# Altium PCB RF.PcbDoc (part 4 of 5)
Units mm, origin at the board's own origin, x right, y up, seen from the top; angles counter-clockwise.
Board outline 174 x 120 mm, 4 copper layers (Top, REF1, Internal, REF2), stack 1.212 mm thick; 567 components, 328 nets, 1552 pads, 3145 vias.
Unrouted connection lines stored in the file: 12.
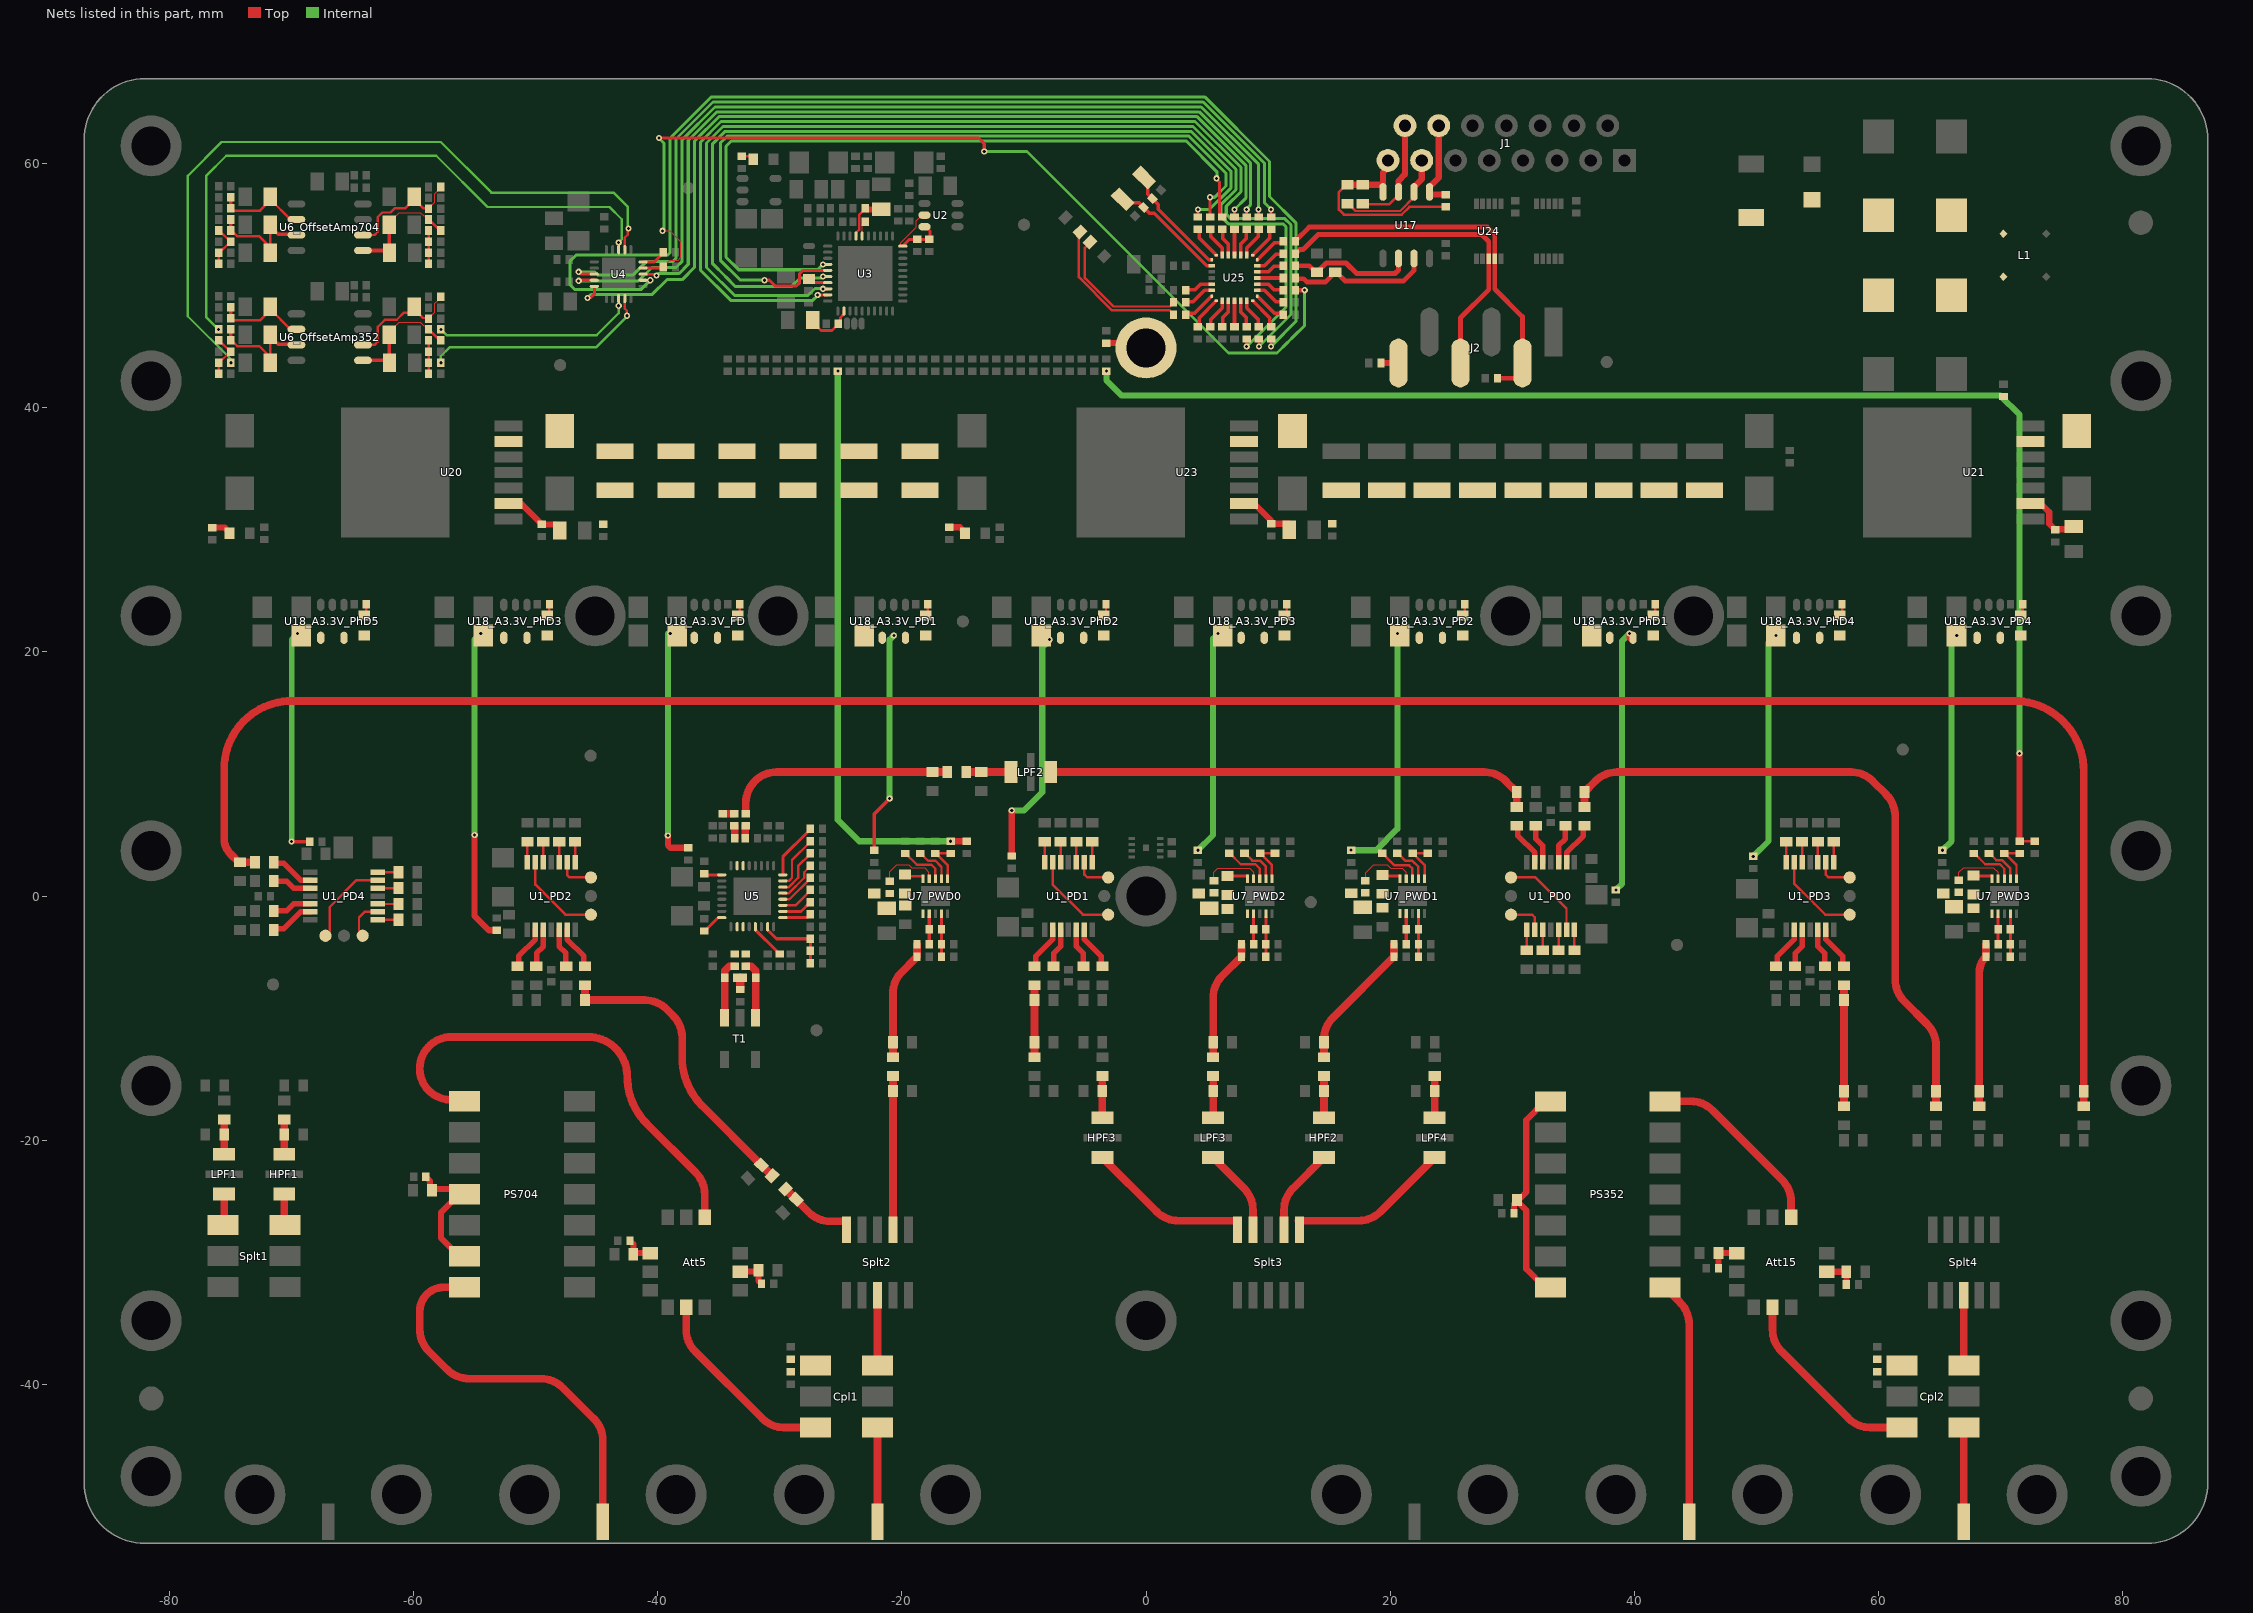
[diagram p6: the nets of this part, all layers, seen from the top]

## Via types
v1: diameter 0.51, hole 0.25, Top to REF2, tented both sides, 2873 vias
v2: diameter 1, hole 0.5, Top to REF2, tented both sides, 245 vias
v3: diameter 0.75, hole 0.25, Top to REF2, tented both sides, 21 vias
v4: diameter 0.51, hole 0.25, Top to REF2, tented bottom, 6 vias

## Nets (pads, with @x,y where several pads share a name; then routed paths per layer and width w, separated by ;. In a path a pad name is that pad's centre, name@x,y a point inside that pad or via, vN(x,y) a via of type N, cw(c..) or ccw(c..) an arc to the next point about the centre after c; other vN are vias at no path point) (continued)
E_5: R43_OffsetAmp352.1 U4.17 | length 59.8
  Top w0.2: U4.17@-42.7,52.95 -42.7,53.938 -42.459,54.178 -42.459,54.628 v1(-42.4,54.688)
  Internal w0.2: v1(-74.975,43.69) -74.975,43.975 -78.5,47.5 -78.5,59 -75.725,61.775 -57.775,61.775 -53.625,57.625 -43.625,57.625 -42.445,56.445 v1@-42.445,54.688
F_5: R45_OffsetAmp352.1 U4.18 | length 52.5
  Top w0.2: U4.18@-43.2,52.95 v1(-43.2,53.537)
  Internal w0.2: v1(-75.975,46.427) -77,47.452 -77,59 -75.35,60.65 -58.15,60.65 -53.95,56.45 -43.95,56.45 -42.945,55.445 -42.945,53.793 v1(-43.2,53.537)
G_5: R54_OffsetAmp352.1 U4.8 | length 16.7
  Top w0.2: v1(-43.2,48.363) U4.8@-43.2,48.95
  Internal w0.2: v1(-57.775,46.427) -57.298,45.95 -44.998,45.95 -43.195,47.753 -43.195,48.358 v1(-43.2,48.363)
H_5: R51_OffsetAmp352.1 U4.9 | length 18.7
  Top w0.2: U4.9@-42.7,48.95 -42.7,48.125 -42.525,47.95 v1(-42.525,47.543)
  Internal w0.2: v1(-57.775,43.69) -57.775,44.225 -57.05,44.95 -45.055,44.95 -42.525,47.48 v1(-42.525,47.543)
MO352_1_5: C8_PD3.1 R3_PD3.1 R140.2 R145.2 | length 9.8
  Top w0.635: R145.2@57.175,-17.15 R140.2@57.175,-16 R3_PD3.1@57.175,-8.525 C8_PD3.1@57.175,-7.3
MO352_2_5: C4_PD0.1 R1_PD0.2 R135.2 R136.2 | length 54.1
  Top w0.635: C4_PD0.1@35.925,7.3 R1_PD0.2@35.925,8.525 36.816,9.416 cw(c38.612,7.62) 38.612,10.16 57.748,10.16 cw(c57.748,7.62) 59.544,9.416 60.631,8.329 cw(c58.835,6.533) 61.375,6.533 61.375,-6.823 ccw(c63.915,-6.823) 62.119,-8.619 63.986,-10.486 cw(c62.19,-12.282) 64.73,-12.282 R135.2@64.73,-16 R136.2@64.73,-17.225
MO352_3_5: C4_PD4.1 R1_PD4.2 R138.2 R139.2 | length 195.6
  Top w0.635: R1_PD4.2@-74.325,2.775 -75,3.45 cw(c-73.745,4.705) -75.52,4.705 -75.52,10.42 cw(c-69.952,10.42) -69.952,15.988 71.082,15.988 cw(c71.082,10.244) 76.825,10.244 R138.2@76.825,-16 R139.2@76.825,-17.225 ; R1_PD4.2@-74.225,2.775 C4_PD4.1@-73,2.775
MO352_5_P: R21.1 R63_PWD3.2 R64_PWD3.1 | length 112.9
  Top w0.2: R63_PWD3.2@71.565,4.49 R64_PWD3.1@72.815,4.49
  Top w0.5: R63_PWD3.2@71.565,4.49 v4(71.565,11.69)
  Internal w0.5: v1(-3.25,43) -3.25,42.25 -2,41 70,41 71.565,39.435 v4(71.565,11.69)
MO704/2_5: C8_PD0.1 LPF2.3 R3_PD0.1 | length 40
  Top w0.635: LPF2.3@-7.809,10.16 27.457,10.16 27.688,10.16 cw(c27.688,7.62) 29.484,9.416 R3_PD0.1@30.375,8.525 C8_PD0.1@30.375,7.3
MO704_5: C4_PD1.1 R1_PD1.2 R127.1 R128.2 | length 5.9
  Top w0.635: R127.1@-9.125,-13.2 R128.2@-9.125,-11.975 R1_PD1.2@-9.125,-8.525 C4_PD1.1@-9.125,-7.3
MO704_5_P: R9.1 R63_PWD0.2 R64_PWD0.1 | length 48
  Top w0.5: v1(-16.005,4.49) R64_PWD0.1@-14.685,4.49
  Internal w0.5: v1(-25.25,43) -25.25,6.25 -23.49,4.49 v1(-16.005,4.49)
NetAtt5_1: Att5.1 PS704.1 | length 38.4
  Top w0.635: PS704.1@-56.777,-16.68 cw(c-56.96,-14.147) -59.5,-14.147 cw(c-56.893,-14.147) -56.893,-11.54 -45.725,-11.54 cw(c-45.725,-14.765) -42.5,-14.765 ccw(c-37.007,-14.765) -40.891,-18.649 -36.894,-22.646 cw(c-38.691,-24.442) -36.151,-24.442 Att5.1@-36.151,-26.332
NetAtt5_4: Att5.4 BLM11.2 C114.2 | length 2.5
  Top w0.5: BLM11.2@-42.272,-28.253 -42,-28.525 -42,-29.25 -41.999,-29.251 -40.597,-29.251 Att5.4@-40.596,-29.253
NetAtt5_8: Att5.8 Cpl1.6 | length 16.1
  Top w0.635: Att5.8@-37.675,-33.698 -37.675,-35.513 ccw(c-35.135,-35.513) -36.931,-37.309 -31.444,-42.796 ccw(c-29.648,-41) -29.648,-43.54 Cpl1.6@-27.08,-43.54
NetAtt5_11: Att5.11 BLM12.1 C76.1 | length 2.6
  Top w0.5: Att5.11@-33.23,-30.777 -33.216,-30.763 -31.763,-30.763 -31.75,-30.75 -31.75,-31.5 BLM12.1@-31.5,-31.75
NetAtt15_1: Att15.1 PS352.14 | length 15.4
  Top w0.635: PS352.14@42.525,-16.81 44.618,-16.81 cw(c44.618,-19.35) 46.414,-17.554 52.106,-23.246 cw(c50.309,-25.042) 52.849,-25.042 Att15.1@52.849,-26.332
NetAtt15_4: Att15.4 BLM14.1 C116.2 | length 2.8
  Top w0.5: BLM14.1@46.9,-30.5 C116.2@46.9,-29.253 Att15.4@48.404,-29.253
NetAtt15_8: Att15.8 Cpl2.6 | length 16.1
  Top w0.635: Att15.8@51.325,-33.698 51.325,-35.513 ccw(c53.865,-35.513) 52.069,-37.309 57.556,-42.796 ccw(c59.352,-41) 59.352,-43.54 Cpl2.6@61.92,-43.54
NetAtt15_11: Att15.11 BLM15.1 C78.1 | length 2.7
  Top w0.5: Att15.11@55.77,-30.777 C78.1@57.375,-30.777 BLM15.1@57.375,-31.825
NetBLM1_PD0_1: BLM1_PD0.1 C82_A3.3V_PhD1.1 LED1_A3.3V_PhD1.A U18_A3.3V_PhD1.4 U18_A3.3V_PhD1.5 | length 21.8
  Top w0.5: U18_A3.3V_PhD1.5@39.6,21.16 v1(39.6,21.5)
  Internal w0.5: v1(38.5,0.5) 39,1 39,20.9 v1(39.6,21.5)
NetBLM1_PD1_1: BLM1_PD1.1 C82_A3.3V_PhD2.1 LED1_A3.3V_PhD2.A U18_A3.3V_PhD2.4 U18_A3.3V_PhD2.5 | length 20.5
  Top w0.5: BLM1_PD1.1@-11,3.25 BLM1_PD1.1@-11,3.275 v1(-11,7) ; C82_A3.3V_PhD2.1@-9.075,21.46 C82_A3.3V_PhD2.1@-8.615,21 ; C82_A3.3V_PhD2.1@-8.115,21 v1(-7.9,21)
  Internal w0.5: v1(-11,7) -10,7 -8.5,8.5 -8.5,20.4 v1(-7.9,21)
NetBLM1_PD2_1: BLM1_PD2.1 C82_A3.3V_PhD3.1 LED1_A3.3V_PhD3.A U18_A3.3V_PhD3.4 U18_A3.3V_PhD3.5 | length 25.6
  Top w0.5: v1(-55,5) -55,-1.64 -53.84,-2.8 BLM1_PD2.1@-53.185,-2.8
  Internal w0.5: v1(-55,5) -55,21 v1(-54.5,21.5)
NetBLM1_PD3_1: BLM1_PD3.1 C82_A3.3V_PhD4.1 LED1_A3.3V_PhD4.A U18_A3.3V_PhD4.4 U18_A3.3V_PhD4.5 | length 19.4
  Top w0.5: v1(51.6,21.36) C82_A3.3V_PhD4.1@51.725,21.36 ; C82_A3.3V_PhD4.1@51.725,21.46 C82_A3.3V_PhD4.1@51.725,21.36 ; C82_A3.3V_PhD4.1@51.725,21.36 51.825,21.36 51.725,21.26 C82_A3.3V_PhD4.1@51.725,21.36
  Internal w0.5: v1(49.75,3.25) 51,4.5 51,20.76 v1(51.6,21.36)
NetBLM1_PD4_1: BLM1_PD4.1 C82_A3.3V_PhD5.1 LED1_A3.3V_PhD5.A U18_A3.3V_PhD5.4 U18_A3.3V_PhD5.5 | length 18.7
  Top w0.3: v1(-70,4.46) BLM1_PD4.1@-68.5,4.46
  Internal w0.45: v1(-70,4.46) -70,21 v1(-69.5,21.5)
NetBLM8_2: BLM8.2 C82_A3.3V_FD.1 LED1_A3.3V_FD.A U18_A3.3V_FD.4 U18_A3.3V_FD.5 | length 19.1
  Top w0.5: v1(-39.175,4.969) -39.175,4.175 -38.96,3.96 BLM8.2@-37.5,3.96
  Internal w0.5: v1(-39.175,4.969) v1@-39.175,21.5
  other v1: -38.975,21.5
NetBLM10_PWD0_2: BLM10_PWD0.2 C82_A3.3V_PD1.1 LED1_A3.3V_PD1.A U18_A3.3V_PD1.4 U18_A3.3V_PD1.5 | length 18.2
  Top w0.3: BLM10_PWD0.2@-22.25,3.75 -22.25,6.75 v1(-21,8)
  Internal w0.5: v1(-21,8) -21,20.994 v1(-20.659,21.335)
NetBLM10_PWD1_2: BLM10_PWD1.2 C82_A3.3V_PD2.1 LED1_A3.3V_PD2.A U18_A3.3V_PD2.4 U18_A3.3V_PD2.5 | length 21.7
  Top w0.5: C82_A3.3V_PD2.1@20.5,21.5 20.5,20.935 20.825,21.26 C82_A3.3V_PD2.1@20.825,21.46
  Internal w0.5: v1(16.8,3.755) 18.855,3.755 20.6,5.5 v1(20.6,21.5)
NetBLM10_PWD2_2: BLM10_PWD2.2 C82_A3.3V_PD3.1 LED1_A3.3V_PD3.A U18_A3.3V_PD3.4 U18_A3.3V_PD3.5 | length 19.7
  Top w0.5: v1(5.9,21.5) 5.9,20.935 6.225,21.26 C82_A3.3V_PD3.1@6.225,21.46
  Internal w0.5: v1(4.25,3.75) 5.5,5 5.5,21.1 v1(5.9,21.5)
NetBLM10_PWD3_2: BLM10_PWD3.2 C82_A3.3V_PD4.1 LED1_A3.3V_PD4.A U18_A3.3V_PD4.4 U18_A3.3V_PD4.5 | length 18.6
  Top w0.5: v1(66.423,21.36) 66.43,21.36 C82_A3.3V_PD4.1@66.525,21.265 ; C82_A3.3V_PD4.1@66.525,21.46 C82_A3.3V_PD4.1@66.525,21.265 ; C82_A3.3V_PD4.1@66.623,21.362 C82_A3.3V_PD4.1@66.525,21.265
  Internal w0.5: v1(65.25,3.75) 66,4.5 66,20.937 v1(66.423,21.36)
NetBLM13_2: BLM13.2 C115.1 PS704.4 PS704.6 | length 11.3
  Top w0.5: BLM13.2@-59,-23 -58.65,-23.35 -58.65,-23.85 -58.5,-24 -56.255,-24 PS704.4@-55.825,-24.43 -56.27,-24.43 -57.75,-25.91 -57.75,-28.03 -56.27,-29.51 PS704.6@-55.825,-29.51
NetBLM16_1: BLM16.1 C117.1 PS352.1 PS352.7 | length 19.1
  Top w0.5: BLM16.1@30.15,-26 30.15,-25.25 C117.1@30.4,-25 ; PS352.7@33.125,-32.07 32.68,-32.07 31.15,-30.54 31.15,-25.75 C117.1@30.4,-25 ; PS352.1@33.125,-16.83 32.68,-16.83 31.15,-18.36 31.15,-24.25 C117.1@30.4,-25
NetC4_PD0_2: C4_PD0.2 U1_PD0.2 | length 3.5
  Top w0.45: U1_PD0.2@34.45,2.775 34.45,3.551 35.825,4.926 C4_PD0.2@35.825,5.75
NetC4_PD1_2: C4_PD1.2 U1_PD1.2 | length 3.6
  Top w0.2: C4_PD1.2@-9.125,-5.75 C4_PD1.2@-9.077,-5.75
  Top w0.45: C4_PD1.2@-9.025,-5.75 -9.025,-4.926 -7.65,-3.551 U1_PD1.2@-7.65,-2.775
NetC4_PD2_2: C4_PD2.2 U1_PD2.2 | length 3.6
  Top w0.45: C4_PD2.2@-51.5,-5.75 -51.4,-5.75 -51.4,-4.926 -50.025,-3.551 U1_PD2.2@-50.025,-2.775
NetC4_PD3_2: C4_PD3.2 U1_PD3.2 | length 3.5
  Top w0.45: C4_PD3.2@51.725,-5.75 51.725,-4.926 53.1,-3.551 U1_PD3.2@53.1,-2.775
NetC4_PD4_2: C4_PD4.2 U1_PD4.2 | length 3.6
  Top w0.45: C4_PD4.2@-71.45,2.775 -71.45,2.675 -70.626,2.675 -69.251,1.3 U1_PD4.2@-68.475,1.3
NetC5_PD0_1: C5_PD0.1 U1_PD0.14 | length 1.7
  Top w0.2: C5_PD0.1@35.1,-4.45 U1_PD0.14@35.1,-2.775
NetC5_PD1_1: C5_PD1.1 U1_PD1.14 | length 1.7
  Top w0.2: U1_PD1.14@-8.3,2.775 C5_PD1.1@-8.3,4.45
NetC5_PD2_1: C5_PD2.1 U1_PD2.14 | length 1.7
  Top w0.2: U1_PD2.14@-50.675,2.775 C5_PD2.1@-50.675,4.45
NetC5_PD3_1: C5_PD3.1 U1_PD3.14 | length 1.7
  Top w0.2: U1_PD3.14@52.45,2.775 C5_PD3.1@52.45,4.45
NetC5_PD4_1: C5_PD4.1 U1_PD4.14 | length 1.7
  Top w0.2: U1_PD4.14@-62.925,1.95 C5_PD4.1@-61.25,1.95
NetC6_PD0_2: C6_PD0.2 U1_PD0.3 | length 3.2
  Top w0.45: U1_PD0.3@33.8,2.775 33.8,4.125 34.35,4.675 C6_PD0.2@34.35,5.725
NetC6_PD1_2: C6_PD1.2 U1_PD1.3 | length 3.2
  Top w0.45: C6_PD1.2@-7.55,-5.725 -7.55,-4.675 -7,-4.125 U1_PD1.3@-7,-2.775
NetC6_PD2_2: C6_PD2.2 U1_PD2.3 | length 3.2
  Top w0.45: C6_PD2.2@-49.95,-5.75 -49.925,-5.725 -49.925,-4.675 -49.375,-4.125 U1_PD2.3@-49.375,-2.775
NetC6_PD3_2: C6_PD3.2 U1_PD3.3 | length 3.2
  Top w0.45: C6_PD3.2@53.2,-5.725 53.2,-4.675 53.75,-4.125 U1_PD3.3@53.75,-2.775
NetC6_PD4_2: C6_PD4.2 U1_PD4.3 | length 3.2
  Top w0.45: C6_PD4.2@-71.45,1.225 -71.425,1.2 -70.375,1.2 -69.825,0.65 U1_PD4.3@-68.475,0.65
NetC7_PD0_2: C7_PD0.2 U1_PD0.5 | length 3.2
  Top w0.45: C7_PD0.2@31.95,5.725 31.95,4.675 32.5,4.125 U1_PD0.5@32.5,2.775
NetC7_PD1_2: C7_PD1.2 U1_PD1.5 | length 3.2
  Top w0.45: U1_PD1.5@-5.7,-2.775 -5.7,-4.125 -5.15,-4.675 C7_PD1.2@-5.15,-5.725
NetC7_PD2_2: C7_PD2.2 U1_PD2.5 | length 3.2
  Top w0.45: U1_PD2.5@-48.075,-2.775 -48.075,-4.125 -47.525,-4.675 -47.525,-5.725 C7_PD2.2@-47.5,-5.75
NetC7_PD3_2: C7_PD3.2 U1_PD3.5 | length 3.2
  Top w0.45: U1_PD3.5@55.05,-2.775 55.05,-4.125 55.6,-4.675 C7_PD3.2@55.6,-5.725
NetC7_PD4_2: C7_PD4.2 U1_PD4.5 | length 3.2
  Top w0.45: C7_PD4.2@-71.45,-1.225 -71.425,-1.2 -70.375,-1.2 -69.825,-0.65 U1_PD4.5@-68.475,-0.65
NetC8_PD0_2: C8_PD0.2 U1_PD0.6 | length 3.5
  Top w0.45: C8_PD0.2@30.475,5.75 30.475,4.926 31.85,3.551 U1_PD0.6@31.85,2.775
NetC8_PD1_2: C8_PD1.2 U1_PD1.6 | length 3.6
  Top w0.2: C8_PD1.2@-3.623,-5.75 C8_PD1.2@-3.575,-5.75
  Top w0.45: U1_PD1.6@-5.05,-2.775 -5.05,-3.551 -3.675,-4.926 C8_PD1.2@-3.675,-5.75
NetC8_PD2_1: C8_PD2.1 R3_PD2.1 R121.2 R122.2 | length 24.9
  Top w0.635: R3_PD2.1@-45.95,-8.525 C8_PD2.1@-45.95,-7.3 ; R3_PD2.1@-45.911,-8.525 -41.067,-8.525 cw(c-41.067,-11.065) -39.271,-9.269 -38.744,-9.796 cw(c-40.54,-11.592) -38,-11.592 -38,-13.234 ccw(c-32.433,-13.234) -36.37,-17.17 R122.2@-31.51,-22.03 R121.2@-30.644,-22.896
NetC8_PD2_2: C8_PD2.2 U1_PD2.6 | length 3.6
  Top w0.45: U1_PD2.6@-47.425,-2.775 -47.425,-3.551 -46.05,-4.926 -46.05,-5.75 C8_PD2.2@-45.95,-5.75
NetC8_PD3_2: C8_PD3.2 U1_PD3.6 | length 3.5
  Top w0.45: U1_PD3.6@55.7,-2.775 55.7,-3.551 57.075,-4.926 C8_PD3.2@57.075,-5.75
NetC8_PD4_2: C8_PD4.2 U1_PD4.6 | length 3.6
  Top w0.45: C8_PD4.2@-71.45,-2.775 -71.45,-2.675 -70.626,-2.675 -69.251,-1.3 U1_PD4.6@-68.475,-1.3
NetC9_PD0_1: C9_PD0.1 U1_PD0.8 | length 1.7
  Top w0.2: C9_PD0.1@31.2,-4.45 U1_PD0.8@31.2,-2.775
NetC9_PD1_1: C9_PD1.1 U1_PD1.8 | length 1.7
  Top w0.2: U1_PD1.8@-4.4,2.775 C9_PD1.1@-4.4,4.45
NetC9_PD2_1: C9_PD2.1 U1_PD2.8 | length 1.7
  Top w0.2: U1_PD2.8@-46.775,2.775 C9_PD2.1@-46.775,4.45
NetC9_PD3_1: C9_PD3.1 U1_PD3.8 | length 1.7
  Top w0.2: U1_PD3.8@56.35,2.775 C9_PD3.1@56.35,4.45
NetC9_PD4_1: C9_PD4.1 U1_PD4.8 | length 1.7
  Top w0.2: U1_PD4.8@-62.925,-1.95 C9_PD4.1@-61.25,-1.95
NetC39_1: C39.1 C40.2 U3.22 | length 4.2
  Top w0.25: C39.1@-27.3,47.2 -27.3,47 -26.625,46.325 -25.725,46.325 -25.2,46.85 C40.2@-25.2,46.9 -25.2,47.122 -25.028,47.122 -25.025,47.125 -25.025,47.4 -24.75,47.675 U3.22@-24.75,47.925
NetC41_2: C41.2 C42.2 U2.5 U2.6 U3.40 | length 7.3
  Top w0.1: U3.40@-19.925,53.25 -20.027,53.25 -20.096,53.319 -20.096,53.504 -18.823,54.777 -18.823,55.311 -18.35,55.784 U2.5@-18.15,55.784
  Top w0.25: U3.40@-19.925,53.25 -19.375,53.8 C42.2@-18.75,53.8 C41.2@-17.75,53.8 -17.7,53.85 -17.7,54.489 -18.045,54.834 U2.6@-18.15,54.834
NetC43_2: C43.2 U3.6 | length 1.3
  Top w0.1: U3.6@-23.25,54.075 -23.25,55 C43.2@-23,55.25
NetC44_1: C44.1 C45.2 U3.7 | length 4.1
  Top w0.2: U3.7@-23.75,54.075 -23.75,54.339 -23.5,54.589 -23.5,55.8 -23,56.3 C45.2@-23,56.35 C45.2@-22.95,56.3
  Top w0.5: C45.2@-23,56.3 -22.95,56.25 -21.9,56.25 C44.1@-21.7,56.05
NetC51_1: C51.1 U4.15 | length 2
  Top w0.25: U4.15@-41.2,51.95 -40.285,51.95 -39.55,52.685 C51.1@-39.55,52.735
NetC57_2: C57.2 R77.2 U20.2 | length 5.2
  Top w0.5: U20.2@-52.237,32.165 -51.215,32.165 C57.2@-49.5,30.45 -48.325,30.45 -48.025,30.15 R77.2@-48.025,29.95
NetC60_OffsetAmp352_1: C60_OffsetAmp352.1 R47_OffsetAmp352.1 R48_OffsetAmp352.2 U6_OffsetAmp352.2 | length 7.7
  Top w0.2: R48_OffsetAmp352.2@-74.975,47.349 -74.975,47.157 -72.583,47.157 C60_OffsetAmp352.1@-71.75,47.99 ; C60_OffsetAmp352.1@-71.75,48.29 -71.75,48.09 -70.085,46.425 U6_OffsetAmp352.2@-69.6,46.425
  Top w0.3: R48_OffsetAmp352.2@-74.975,47.349 R47_OffsetAmp352.1@-74.975,48.249
NetC60_OffsetAmp704_1: C60_OffsetAmp704.1 R47_OffsetAmp704.1 R48_OffsetAmp704.2 U6_OffsetAmp704.2 | length 7.7
  Top w0.2: R48_OffsetAmp704.2@-74.975,56.349 -74.975,56.157 -72.583,56.157 C60_OffsetAmp704.1@-71.75,56.99 ; C60_OffsetAmp704.1@-71.75,57.29 -71.75,57.09 -70.085,55.425 U6_OffsetAmp704.2@-69.6,55.425
  Top w0.3: R48_OffsetAmp704.2@-74.975,56.349 R47_OffsetAmp704.1@-74.975,57.249
NetC61_OffsetAmp352_1: C61_OffsetAmp352.1 C62_OffsetAmp352.1 R44_OffsetAmp352.2 R45_OffsetAmp352.2 U6_OffsetAmp352.3 | length 9
  Top w0.2: R44_OffsetAmp352.2@-74.975,45.527 -74.975,45.477 -74.867,45.477 -74.433,45.042 -72.627,45.042 C61_OffsetAmp352.1@-71.975,44.39 ; C61_OffsetAmp352.1@-71.75,43.99 C62_OffsetAmp352.1@-71.75,45.992 C62_OffsetAmp352.1@-71.75,46.265
  Top w0.3: R44_OffsetAmp352.2@-74.975,45.527 R45_OffsetAmp352.2@-74.975,46.427 ; C62_OffsetAmp352.1@-71.675,45.79 -71.097,45.212 -69.657,45.212 U6_OffsetAmp352.3@-69.6,45.155
NetC61_OffsetAmp704_1: C61_OffsetAmp704.1 C62_OffsetAmp704.1 R44_OffsetAmp704.2 R45_OffsetAmp704.2 U6_OffsetAmp704.3 | length 9
  Top w0.2: R44_OffsetAmp704.2@-74.975,54.527 -74.975,54.477 -74.867,54.477 -74.433,54.042 -72.627,54.042 C61_OffsetAmp704.1@-71.975,53.39 ; C61_OffsetAmp704.1@-71.75,52.99 C62_OffsetAmp704.1@-71.75,54.992 C62_OffsetAmp704.1@-71.75,55.265
  Top w0.3: R44_OffsetAmp704.2@-74.975,54.527 R45_OffsetAmp704.2@-74.975,55.427 ; C62_OffsetAmp704.1@-71.675,54.79 -71.097,54.212 -69.657,54.212 U6_OffsetAmp704.3@-69.6,54.155
NetC63_OffsetAmp352_1: C63_OffsetAmp352.1 R55_OffsetAmp352.1 R56_OffsetAmp352.2 U6_OffsetAmp352.6 | length 10.5
  Top w0.1: R56_OffsetAmp352.2@-58.775,47.29 -58.775,47.328 -58.275,47.828 -58.275,48.552 -58.037,48.79 -58.025,48.79 -57.775,49.04 R55_OffsetAmp352.1@-57.775,49.09
  Top w0.2: U6_OffsetAmp352.6@-64.15,45.155 -63.21,45.155 -62.942,45.423 -62.942,46.633 -62.359,47.216 -61.384,47.216 -60.8,47.8 -60.24,47.8 -59.95,48.09 -59.217,47.357 -58.842,47.357 R56_OffsetAmp352.2@-58.775,47.29 ; C63_OffsetAmp352.1@-59.95,48.449 C63_OffsetAmp352.1@-59.5,48.899
NetC63_OffsetAmp704_1: C63_OffsetAmp704.1 R55_OffsetAmp704.1 R56_OffsetAmp704.2 U6_OffsetAmp704.6 | length 10.5
  Top w0.1: R56_OffsetAmp704.2@-58.775,56.29 -58.775,56.328 -58.275,56.828 -58.275,57.552 -58.037,57.79 -58.025,57.79 -57.775,58.04 R55_OffsetAmp704.1@-57.775,58.09
  Top w0.2: U6_OffsetAmp704.6@-64.15,54.155 -63.21,54.155 -62.942,54.423 -62.942,55.633 -62.575,56 -61.9,56 -61.56,56.34 -60.7,56.34 -59.95,57.09 -59.217,56.357 -58.842,56.357 R56_OffsetAmp704.2@-58.775,56.29 ; C63_OffsetAmp704.1@-59.95,57.449 C63_OffsetAmp704.1@-59.5,57.899
NetC64_OffsetAmp352_1: C64_OffsetAmp352.1 C65_OffsetAmp352.1 R52_OffsetAmp352.2 R54_OffsetAmp352.2 U6_OffsetAmp352.5 | length 9.9
  Top w0.1: C65_OffsetAmp352.1@-62,45.992 -62,46.192 -61.192,47 -59.445,47 -59.172,46.727 -59.025,46.727 -58.692,46.394 R54_OffsetAmp352.2@-58.692,46.377
  Top w0.2: R54_OffsetAmp352.2@-58.692,46.377 -57.842,45.527 R52_OffsetAmp352.2@-57.775,45.527
  Top w0.3: U6_OffsetAmp352.5@-64.15,43.885 -62.17,43.885 C64_OffsetAmp352.1@-62,43.715 ; C65_OffsetAmp352.1@-62,45.992 C64_OffsetAmp352.1@-62,43.715 ; C64_OffsetAmp352.1@-61.975,43.69 C64_OffsetAmp352.1@-62,43.715
NetC64_OffsetAmp704_1: C64_OffsetAmp704.1 C65_OffsetAmp704.1 R52_OffsetAmp704.2 R54_OffsetAmp704.2 U6_OffsetAmp704.5 | length 9.9
  Top w0.1: C65_OffsetAmp704.1@-62,54.992 -62,55.192 -61.192,56 -59.445,56 -59.172,55.727 -59.025,55.727 -58.692,55.394 R54_OffsetAmp704.2@-58.692,55.377
  Top w0.2: R54_OffsetAmp704.2@-58.692,55.377 -57.842,54.527 R52_OffsetAmp704.2@-57.775,54.527
  Top w0.3: U6_OffsetAmp704.5@-64.15,52.885 -62.17,52.885 C64_OffsetAmp704.1@-62,52.715 ; C65_OffsetAmp704.1@-62,54.992 C64_OffsetAmp704.1@-62,52.715 ; C64_OffsetAmp704.1@-61.975,52.69 C64_OffsetAmp704.1@-62,52.715
NetC68_PWD0_1: C68_PWD0.1 C69_PWD0.1 C70_PWD0.1 R58_PWD0.1 R59_PWD0.1 U7_PWD0.1
NetC68_PWD1_1: C68_PWD1.1 C69_PWD1.1 C70_PWD1.1 R58_PWD1.1 R59_PWD1.1 U7_PWD1.1
NetC68_PWD2_1: C68_PWD2.1 C69_PWD2.1 C70_PWD2.1 R58_PWD2.1 R59_PWD2.1 U7_PWD2.1
NetC68_PWD3_1: C68_PWD3.1 C69_PWD3.1 C70_PWD3.1 R58_PWD3.1 R59_PWD3.1 U7_PWD3.1
NetC70_PWD0_2: C70_PWD0.2 U7_PWD0.10 | length 1.6
  Top w0.2: C70_PWD0.2@-19.755,1.765 -19.63,1.64 U7_PWD0.10@-18.255,1.64
NetC70_PWD1_2: C70_PWD1.2 U7_PWD1.10 | length 1.5
  Top w0.25: C70_PWD1.2@19.37,1.735 19.46,1.645 U7_PWD1.10@20.82,1.645
NetC70_PWD2_2: C70_PWD2.2 U7_PWD2.10 | length 1.7
  Top w0.25: C70_PWD2.2@6.67,1.635 6.675,1.64 U7_PWD2.10@8.32,1.64
NetC70_PWD3_2: C70_PWD3.2 U7_PWD3.10 | length 1.5
  Top w0.25: C70_PWD3.2@67.8,1.675 67.835,1.64 U7_PWD3.10@69.315,1.64
NetC71_PWD0_1: C71_PWD0.1 C72_PWD0.1 R124.2 R125.2 | length 9.9
  Top w0.635: R124.2@-20.73,-13.2 R125.2@-20.73,-11.975 -20.73,-7.987 cw(c-18.19,-7.987) -20.143,-6.362 C72_PWD0.1@-18.8,-5 ; C72_PWD0.1@-18.755,-4.96 C71_PWD0.1@-18.755,-3.96
NetC71_PWD0_2: C71_PWD0.2 R61_PWD0.1 U7_PWD0.2 | length 2.3